# Altium PCB WUT-4-3-3.PcbDoc (part 2 of 4)
Units mil, origin at the board's own origin, x right, y up, seen from the top; angles counter-clockwise.
Board outline 3346.46 x 2204.72 mil, 4 copper layers (Top Layer, GND Plane, 3V3 Plane, Bottom Layer), stack 30.635 mil thick; 241 components, 333 nets, 1194 pads, 457 vias.
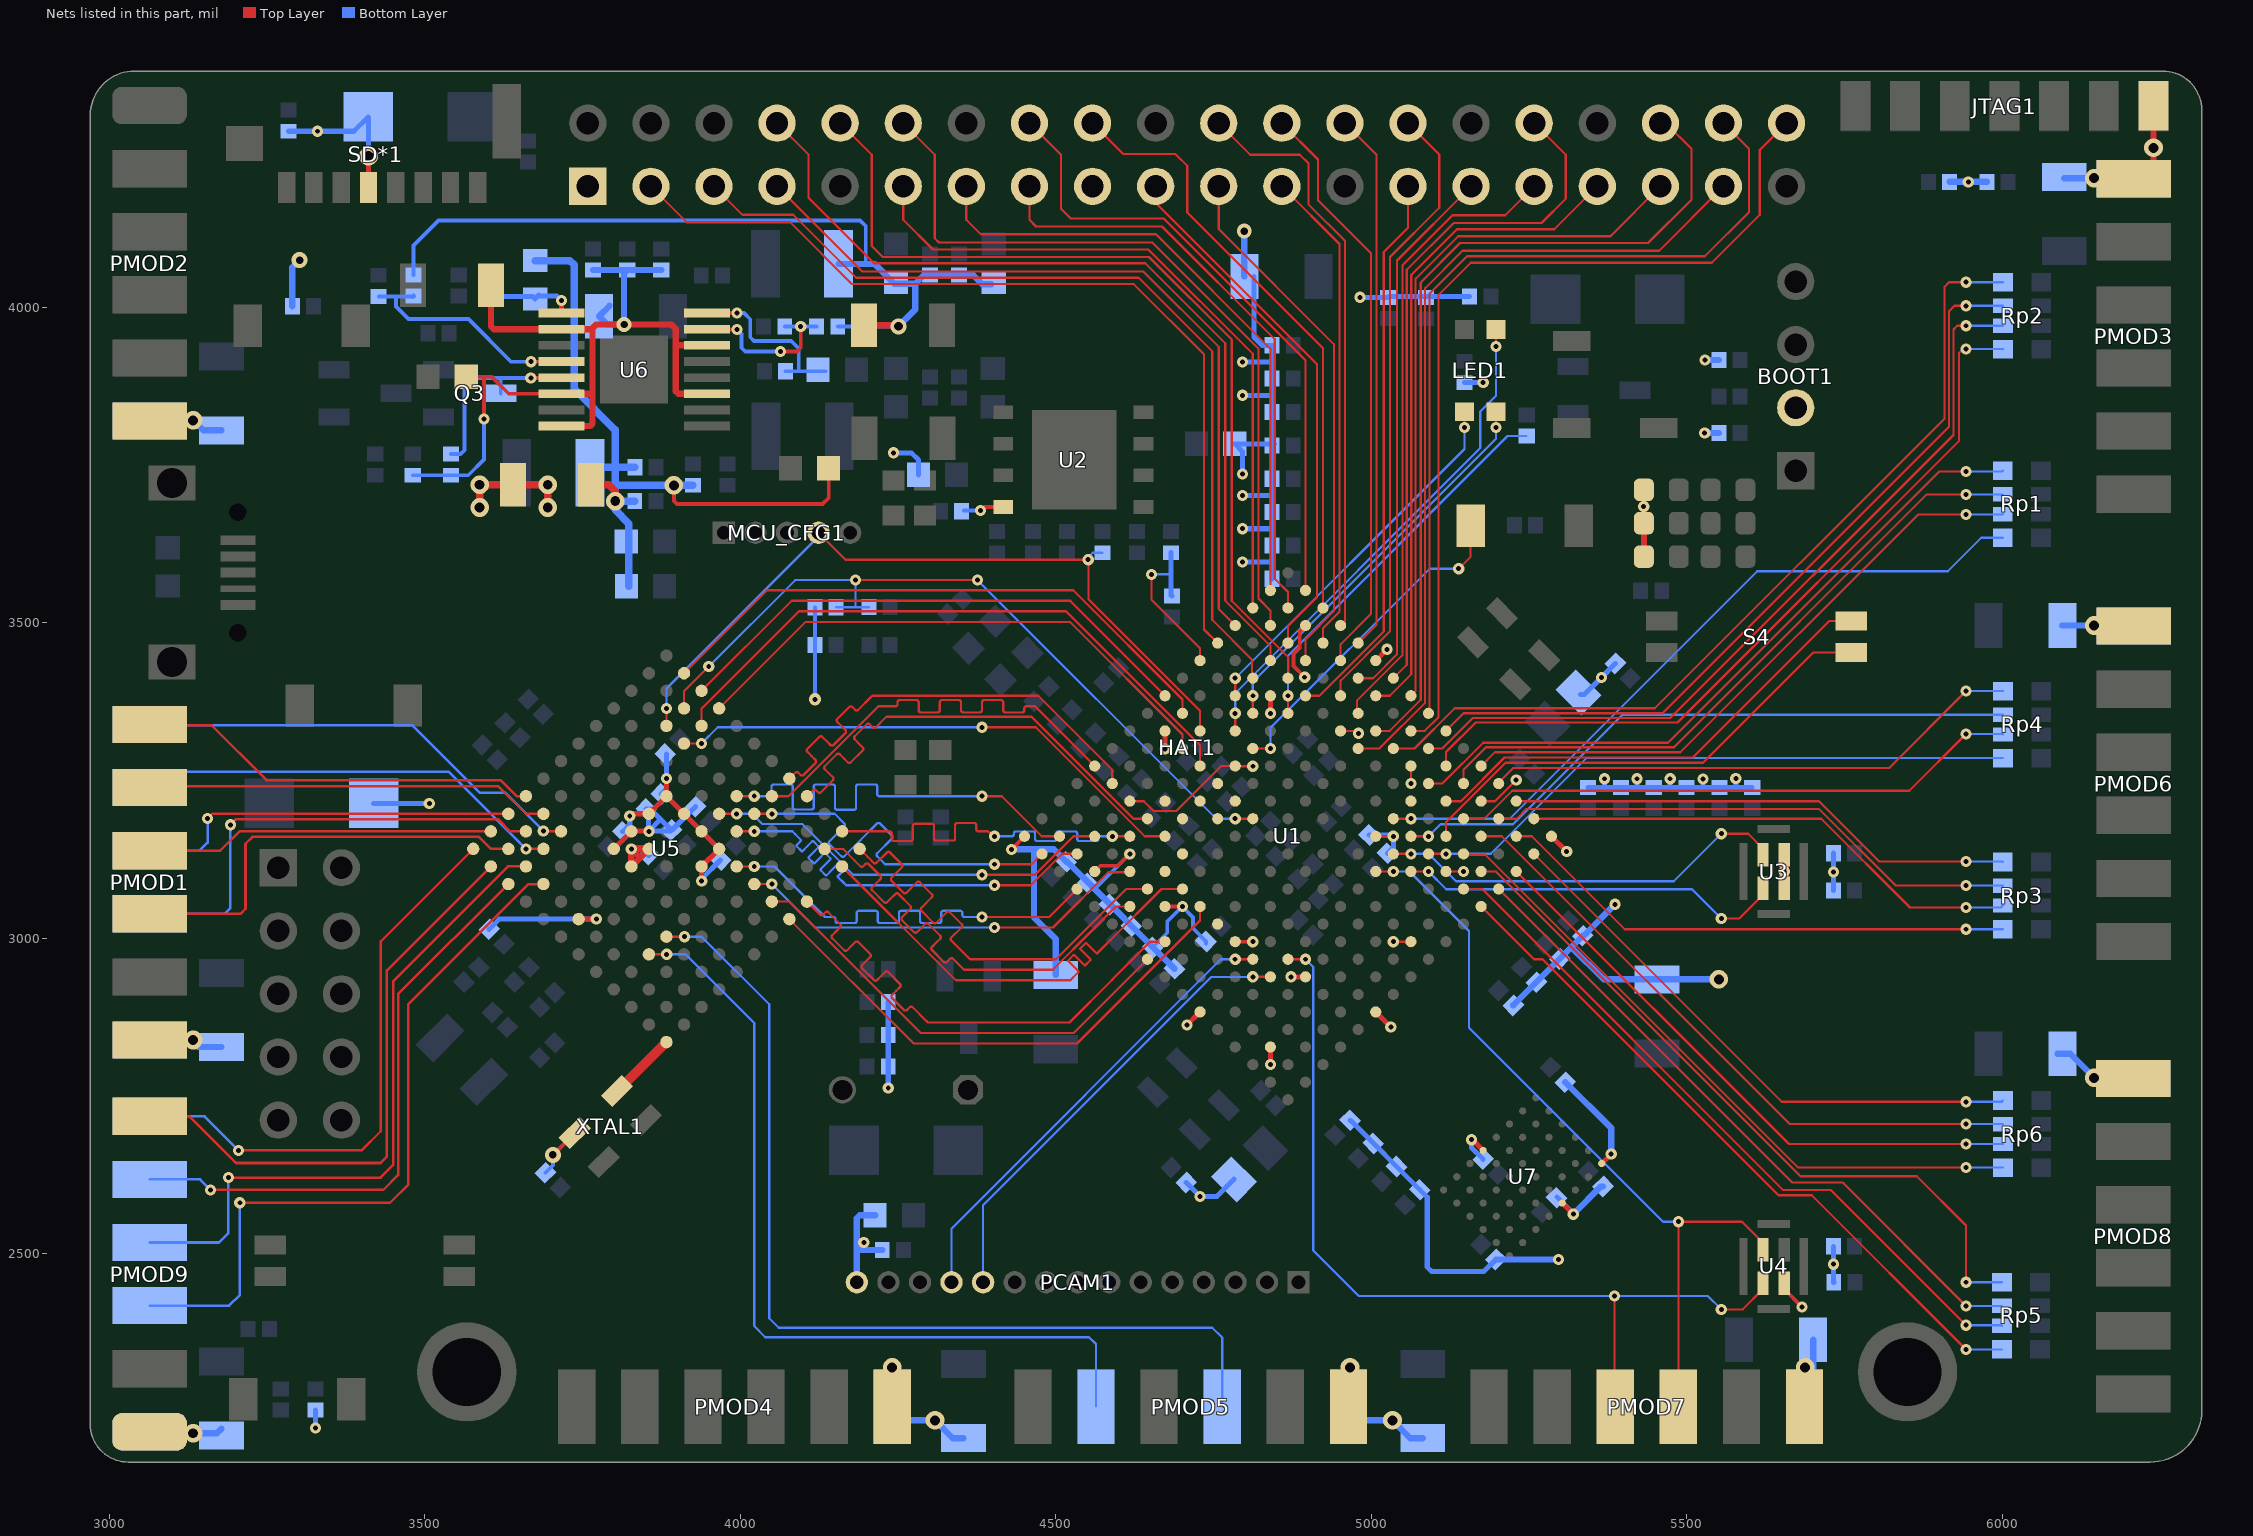
[diagram p4: the nets of this part, all layers, seen from the top]

## Via types
v1: diameter 17.72, hole 7.87, Top Layer to Bottom Layer, tented both sides, 363 vias
v2: diameter 29.53, hole 15.75, Top Layer to Bottom Layer, tented both sides, 51 vias
v3: diameter 19.68, hole 7.87, Top Layer to Bottom Layer, 16 vias
v4: diameter 23.62, hole 11.81, Top Layer to Bottom Layer, tented both sides, 11 vias
v5: diameter 19.68, hole 7.87, Top Layer to Bottom Layer, tented both sides, 9 vias
v6: diameter 25.59, hole 13.78, Top Layer to Bottom Layer, tented both sides, 3 vias
v7: diameter 25.59, hole 11.81, Top Layer to Bottom Layer, tented both sides, 2 vias
v8: diameter 21.65, hole 11.81, Top Layer to Bottom Layer, tented both sides, 1 vias
v9: diameter 27.56, hole 13.78, Top Layer to Bottom Layer, tented both sides, 1 vias

## Nets (pads, with @x,y where several pads share a name; then routed paths per layer and width w, separated by ;. In a path a pad name is that pad's centre, name@x,y a point inside that pad or via, vN(x,y) a via of type N, cw(c..) or ccw(c..) an arc to the next point about the centre after c; other vN are vias at no path point) (continued)
1V8OUT: C89.2 C90.2 C91.2 C92.2 F3.2 L8.2 R40.2 R44.2 | length 1342.3
  Top Layer w10: F3.2@4195.99,3972 v6@4253,3972
  Bottom Layer w6: R44.2@3482.17,4051.37 3482.17,4098.17 3522,4138 4190.01,4138 4199,4129.01 4199,4069 ; R40.2@4154.73,3970 v6(4251,3970)
  Bottom Layer w10: L8.2@4156.07,4069 4199,4069 4213,4069 4244.31,4037.68 4277.69,4037.68 ; v6(4251,3970) 4277.69,3996.69 4277.69,4037.68 ; C92.2@4398,4037 4384,4037 4369.73,4051.27 C90.2@4347,4051.27 C89.2@4301,4051.27 4291.27,4051.27 4277.69,4037.68
3V3: BOOT1.2 C1.1 C2.2 C4.2 C8.1 C9.1 C10.2 C11.2 C12.2 C13.2 C14.2 C15.2 C16.2 C17.2 C18.2 C25.2 C26.2 C27.2 C28.2 C29.2 C30.2 C31.2 C36.2 C37.2 C38.2 C39.2 C40.2 C41.2 C42.2 C49.2 C50.2 C51.2 C52.2 C53.2 C54.2 C55.2 C56.2 C60.2 C61.2 C64.2 C65.2 C66.2 C67.2 C68.2 C69.2 C70.2 C71.2 C72.2 C73.2 C74.2 C75.2 C76.2 C77.1 C78.2 C79.1 C80.2 C81.2 C102.2 C103.2 C104.2 C106.2 C107.2 C108.2 D1.1 D6.1 F2.2 FB1.1 FB2.1 HAT1.1 HAT1.17 JTAG1.2 PCAM1.15 PMOD1.1 PMOD1.7 PMOD2.1 PMOD2.7 PMOD3.1 PMOD3.7 PMOD4.1 PMOD4.7 PMOD5.1 PMOD5.7 PMOD6.1 PMOD6.7 PMOD7.1 PMOD7.7 PMOD8.1 PMOD8.7 PMOD9.1 PMOD9.7 R1.2 R2.2 R3.2 R4.2 R5.2 R6.1 R9.2 R11.2 R12.2 R13.2 R14.2 R18.2 R20.2 R21.2 R22.2 R29.2 R30.1 R32.2 R56.2 R60.2 R62.1 R63.1 R64.1 R65.1 SD*1.4 U1.A6 U1.A16 U1.B3 U1.B13 U1.C10 U1.D7 U1.E4 U1.E14 U1.F1 U1.H15 U1.J2 U1.J12 U1.L6 U1.L16 U1.M3 U1.M13 U1.N10 U1.P7 U1.R4 U1.R14 U1.T1 U1.T11 U2.8 U3.3 U3.4 U4.4 U5.E5 U5.E6 U5.E7 U5.E8 U5.F5 U5.F8 U5.L6 U7.A6 U7.D6 U7.E1 XTAL1.4 | length 8363.7
  Top Layer w3.5: U1.E14@4617.61,3217.52 4639.68,3217.52 4655.29,3201.91 4691.29,3201.91 4762.57,3273.19 U1.J12@4784.64,3273.19 4785,3272.84 v1(4812.48,3272.84) ; v1(4652,3577) 4652,3536.61 4728.97,3459.64 U1.L16@4728.97,3440.23 ; U1.N10@4951.68,3328.87 4976.13,3328.87 v1(4980,3325) ; U1.L6@5007.36,3161.84 v1(5035.19,3161.84) ; v1(5035.19,2994.81) U1.J2@5063.03,2994.81 ; v1(5063.03,3245.36) U1.P7@5063.03,3273.19 ; U1.M3@5118.71,3106.16 v1(5146.55,3106.16) ; v1@5159.22,2679.84 v1@5161.71,2679.84 ; U1.R4@5174.39,3217.52 5196.46,3217.52 v1(5229.95,3251.01) ; v1@5320.22,2562.84 v1(5320.47,2562.84)
  Top Layer w6: v7(3703.26,2656.84) XTAL1.4@3737.83,2691.41 ; v1(4380.98,3678) 4386.82,3683.84 U2.8@4417.02,3683.84 ; v1(4429.88,3141.14) U1.A16@4450.58,3161.84 ; U1.B13@4561.93,3106.16 4570.91,3115.14 4598.75,3115.14 v1(4617.61,3134) ; U1.C10@4673.29,3050.48 v1@4700.56,3050.48 ; U1.D7@4784.64,2994.81 v1(4812.48,2994.81) ; v1(4894.79,3413.89) 4877.01,3431.67 4877.01,3448.81 4877,3450.7 4886.75,3460.45 4886.75,3486.66 U1.R14@4896,3495.91 ; U4.4@5654.73,2453.43 5654.73,2444.27 v1(5683,2416)
  Top Layer w8: SD*1.4@3411,4190 v2(3411,4239.9) ; U5.L6@3743.97,3030.48 v1(3772.05,3030.48) ; v1(3825,3194) 3828.52,3197.52 U5.F5@3855.32,3197.52 U5.E5@3883.16,3225.36 ; v1@3883.55,3253.19 3883.16,3252.81 U5.E5@3883.16,3225.36 ; v1(3939,3091) 3938.84,3091.16 U5.F8@3938.84,3114 U5.E8@3966.68,3141.84 U5.E7@3938.84,3169.68 U5.E5@3883.16,3225.36 ; v1(4673.29,3300.02) U1.H15@4673.29,3328.87 ; v1(4708,2862.48) U1.A6@4728.97,2883.45 ; v1(4840.32,2799.93) U1.B3@4840.32,2827.77 ; v1(4840.32,3356.71) U1.M13@4840.32,3384.55 ; v1(4873.02,2939.13) U1.E4@4896,2939.13 ; U1.F1@5007.36,2883.45 v1(5031.26,2859.55) ; U1.T11@5007.36,3440.23 v1(5025.26,3458.13) ; v1@5161.71,2679.84 U7.E1@5177.59,2663.96 ; U1.T1@5285.74,3161.84 v1(5310,3137.58) ; U7.D6@5302.86,2580.44 v1(5320.47,2562.84) ; U7.A6@5365.5,2643.08 v1(5380.53,2658.11)
  Top Layer w10: R12.2@5432.44,3605 R13.2@5432.44,3658 R14.2@5432.44,3711 ; PMOD3.1@6209,4204 6240,4204 v2(6240,4253) JTAG1.2@6240,4319.54
  Top Layer w12: v2@3587,3691 v2(3587,3719) F2.2@3639.87,3719 v2(3695,3719) v2@3695,3690.78
  Top Layer w15: U3.4@5654.73,3079.43 v1(5654.73,3106) U3.3@5654.73,3132.57
  Bottom Layer w3.5: v1(4652,3577) 4681.93,3577 4683,3578.06
  Bottom Layer w6: C106.2@3691.33,2628.67 3703.22,2640.56 v7@3703.22,2656.84 ; v5(4118.63,3378.95) R5.2@4118.63,3464.83 R3.2@4118.63,3524.85 ; C1.1@4354.73,3678 v1(4380.98,3678) ; 4564.72,3075.34 4564.72,3081.1 v1(4617.61,3134) ; C29.2@4653.99,2985.7 4653.99,2986.07 4677,3009.08 4677,3026.92 4700.56,3050.48 4717.76,3033.29 4717.76,3015.97 R6.1@4738.51,2995.22 R6.1@4738.51,2991.48
  Bottom Layer w8: C73.2@3284,4279.27 v1(3330,4279.27) 3387.59,4279.27 D1.1@3410.32,4302 3411,4301.33 v2(3411,4239.9) ; v1(3326.83,2224.17) R56.2@3326.83,2252.27 ; D6.1@3419.09,3214 v1(3507.34,3214) ; R60.2@3602.17,3014.48 3618.18,3030.48 v1(3772.05,3030.48) ; C103.2@3813.83,3169.18 3825,3180.35 v1(3825,3194) ; R62.1@3874.83,3228.83 3883.55,3237.55 C102.2@3883.55,3292.17 ; v1(3939,3091) 3939,3094.49 C104.2@3968.92,3124.41 ; v1(4234.73,2763) C66.2@4234.73,2797 C65.2@4234.73,2847 R32.2@4234.73,2899 ; v1(4243,3769.62) 4271.38,3769.62 4282.54,3758.46 R22.2@4282.54,3734.84 ; R21.2@4683,3611.27 4683,3578.06 4683,3543.8 R18.2@4684.22,3542.57 ; C4.2@4706.83,2613.17 v1(4729,2591) 4755.5,2591 FB1.1@4782.72,2618.22 ; v1(4795.98,3596.43) 4843.12,3596.43 ; v1(4795.98,3649.29) 4843.12,3649.29 ; v1(4795.98,3702.14) 4843.12,3702.14 ; v1(4796,3736) 4796,3771.74 R20.2@4783.9,3783.84 C53.2@4843.12,3783.84 ; v1(4795.98,3860.71) 4843.12,3860.71 ; v1(4795.98,3913.57) 4843.12,3913.57 ; C18.2@4814.7,4049 4814.7,3952.3 4827,3940 C56.2@4843.12,3940 4843.12,3913.57 ; C49.2@4843.12,3570 4843.12,3596.43 ; C53.2@4846.71,3783.84 C53.2@4843.12,3783.84 ; C10.2@4966.63,2711.7 4967.18,2711.7 C13.2@5077.2,2601.67 5089,2589.88 5089,2479 5096,2472 5178.66,2472 R64.1@5197.83,2491.17 ; v1(4982.47,4016.05) C60.2@5026.96,4016.05 5028.46,4017.54 R29.2@5156.27,4017.54 ; C9.1@4996.83,3163.83 5033.2,3163.83 v1(5035.19,3161.84) 5035.19,3144.19 C8.1@5025.83,3134.83 ; R30.1@5148,3881.27 v1(5177.72,3881.27) ; v1@5159.22,2679.84 5159.22,2668.27 C108.2@5177.67,2649.83 ; C107.2@5294.83,2589.83 v1@5320.22,2564.44 ; FB2.1@5331.78,3386.78 5338.11,3386.78 v1(5365,3413.66) C2.2@5387.17,3435.83 ; C36.2@5344,3239.05 5370,3239.05 ; v1(5370,3253) 5370,3239.05 ; v1(5421.36,3253.01) 5421.36,3239.05 ; v1(5474,3253.01) 5474,3239.05 ; v1(5526.05,3252.78) 5526.05,3239.05 ; v1(5578,3253.19) 5578,3239.05 ; C41.2@5604,3239.05 5578,3239.05 ; C81.2@5732.95,2512 v1(5732.95,2483.66) 5732.95,2455.32 C80.2@5733.27,2455 ; C75.2@5732.95,3075.81 v1(5732.95,3105.4) C76.2@5732.95,3135 ; 4843.12,3596.43 C50.2@4843.12,3622.86 4843.12,3649.29 ; 4843.12,3649.29 C51.2@4843.12,3675.71 4843.12,3702.14 ; 4843.12,3702.14 C52.2@4843.12,3728.57 C53.2@4843.12,3781.43 C53.2@4843.12,3783.84 ; C53.2@4843.12,3783.84 C54.2@4843.12,3834.29 4843.12,3860.71 ; 4843.12,3860.71 C55.2@4843.12,3887.14 4843.12,3913.57 ; 5370,3239.05 C37.2@5396,3239.05 5421.36,3239.05 ; 5421.36,3239.05 C38.2@5448,3239.05 5474,3239.05 ; 5474,3239.05 C39.2@5500,3239.05 5526.05,3239.05 ; 5526.05,3239.05 C40.2@5552,3239.05 5578,3239.05
  Bottom Layer w10: PMOD9.7@3064,2215.7 v2(3133,2215.7) 3170.7,2215.7 C78.2@3178,2223 ; PMOD1.7@3064,2839 3130,2839 3141.07,2827.93 C67.2@3178,2827.93 ; v2(3133,3821) 3148.85,3805.15 C64.2@3178,3805.15 ; R4.2@3290.27,4002 3290.27,4063.58 v7(3301.68,4075) ; PCAM1.15@4185,2455 4185,2505.64 ; C77.1@4213.97,2561 4189.71,2561 4185,2556.29 4185,2518 ; C79.1@4225.27,2506 4196,2506 ; PMOD4.7@4241,2258 4262.81,2236.18 v2(4308.81,2236.18) 4337.16,2207.84 C69.2@4354,2207.84 ; v1(4429.88,3141.14) 4467,3141.14 ; C42.2@4500,2942.06 4500,2999 4465.62,3033.38 4465.62,3139.76 4467,3141.14 ; C30.2@4688.32,2951.74 4653.99,2986.07 4564.72,3075.34 4518.51,3121.55 C25.2@4516.68,3121.55 4497.09,3141.14 4467,3141.14 ; C18.2@4798.94,4049 v4(4798.94,4120.94) ; PMOD5.7@4964,2258 4985.82,2236.18 v2(5033.91,2236.18) 5062.25,2207.84 C70.2@5082,2207.84 ; R64.1@5197.83,2491.17 5297.06,2491.17 v1(5297.22,2491) ; C17.2@5225.53,2893.79 5225.53,2894.33 5317.43,2986.23 ; R65.1@5307.8,2772.17 5380.53,2699.45 v1(5380.53,2658.11) ; v1@5320.22,2564.44 5321.02,2563.64 5364.2,2606.82 R63.1@5367.64,2606.82 ; v1(5386.63,3053.99) 5337,3004.36 C14.2@5335.56,3004.36 5317.43,2986.23 ; v1(5528.72,3800.92) R11.2@5551.27,3800.92 ; v1(5528.99,3916.73) R9.2@5551.27,3916.73 ; v2(5551.22,2935.06) 5368.6,2935.06 5317.43,2986.23 ; PMOD7.7@5687,2258 5700.66,2271.66 C72.2@5700.66,2364 ; R2.2@5916.73,4199 v1(5946.5,4199) R1.2@5976.27,4199 ; C74.2@6088,2817 6108,2817 v2(6146,2779) ; C71.2@6095.66,3496 v2(6146,3496) ; C68.2@6098.47,4205 v2(6146,4205) ; 4185,2505.64 4185,2518 ; 4185,2505.64 4185.36,2506 4196,2506 ; 4185,2518 v1(4195.99,2518) 4195.99,2506.01
  other v1: 5159,2681 4701.13,3050.48 3883.16,3253.19 5432,3684.5
  other v2: 4241,2320 4966.63,2320 5688,2320 3133,2839 3587,3683 3695,3683
3V3OUT: C94.2 C95.2 C96.2 C97.2 D4.A F2.1 L7.1 R41.2 R49.2 | length 1221
  Top Layer w6: v2(3894.99,3717.99) 3894.99,3693.2 3899.71,3688.49 4130.7,3688.49 4140.32,3698.1 D4.A@4140.32,3745
  Top Layer w12: F2.1@3763.89,3719 3792,3719 3802.06,3708.94 v2(3802.06,3693)
  Bottom Layer w12: R41.2@3675,4074.32 3730.16,4074.32 3737,4067.47 3737,3870.79 3802.06,3805.73 3802.06,3746.79 ; L7.1@3762.07,3738 3770.86,3746.79 3802.06,3746.79 ; C96.2@3823.68,3558 3823.68,3657.49 3802.06,3679.12 v2(3802.06,3693) ; C94.2@3832.98,3693 v2(3802.06,3693) ; C95.2@3833.27,3746.79 3802.06,3746.79 ; R49.2@3925.17,3718.27 3803.8,3718.27 3802.06,3720 ; v2(3802.06,3693) 3802.06,3720 ; 3802.06,3720 3802.06,3746.79
5V0: C82.2 C83.1 C84.2 C93.2 D5.A F1.1 R43.2 R45.2 U6.2 U6.6 U6.8 U6.11 U6.14 | length 1494.2
  Top Layer w6: D5.A@3565.88,3890 3594,3890 ; v1(3594,3823) 3594,3890 ; U6.6@3716.84,3863.2 3633.23,3863.2 3606.43,3890 3594,3890
  Top Layer w10: F1.1@3605.18,4035 3605.18,3970 3609.62,3965.56 U6.2@3716.84,3965.56 3764.56,3965.56 ; U6.8@3716.84,3812.02 3762.02,3812.02 3766,3816 3766,3862.13 3764.93,3863.2 U6.6@3716.84,3863.2 ; 3766,3863.2 3766,3967 3771.98,3972.98 v4(3816,3972.98) 3891.02,3972.98 3898,3966 3898,3939.97 ; U6.11@3947.16,3863.2 3901.74,3863.2 3898,3866.93 3898,3939.97 ; U6.14@3947.16,3939.97 3898,3939.97
  Bottom Layer w6: R45.2@3481.04,3734.08 R43.2@3541.43,3734.08 3569.08,3734.08 3594,3759 v1(3594,3823)
  Bottom Layer w10: C84.2@3767,4059.27 C83.1@3821,4059.27 ; C93.2@3793,4002.66 C93.2@3776.34,3986 3789.36,3972.98 v4(3816,3972.98) 3816,4054.27 C83.1@3821,4059.27 ; C82.2@3875,4059.27 C83.1@3821,4059.27
50MHz: U5.M12 XTAL1.3 | length 105.5
  Top Layer w15: XTAL1.3@3808.59,2761.04 U5.M12@3883.16,2835.61
AGND: R61.1 U5.G6 U5.H6 | length 146.1
  Top Layer w10: v1(3827.48,3141.84) 3841.4,3127.92 ; v1(3827.48,3141.84) U5.G6@3855.32,3141.84 3841.4,3127.92 ; v1(3827.48,3141.84) U5.H6@3827.48,3114 3841.4,3127.92
  Bottom Layer w10: v1(3827.48,3141.84) 3845.87,3141.84 R61.1@3855.04,3132.67
ANALOG1: PMOD1.6 U5.J1 | length 642.9
  Top Layer w4: PMOD1.6@3064,3337.49 3162.51,3337.49 3249,3251 3620,3251 3645.64,3225.36 U5.J1@3660.45,3225.36
ANALOG2: PMOD1.5 U5.J2 | length 642.3
  Top Layer w4: PMOD1.5@3064,3241 3616.88,3241 3660.36,3197.52 U5.J2@3688.29,3197.52
ANALOG3: PMOD1.10 U5.K1 | length 615.1
  Top Layer w4: v1(3156,3190) 3163.52,3197.52 U5.K1@3632.61,3197.52
  Bottom Layer w4: PMOD1.10@3064,3139 3143,3139 3156,3152 v1(3156,3190)
ANALOG4: PMOD1.9 U5.K2 | length 743.9
  Top Layer w4: v1(3192,3180) 3201,3189 3616,3189 3635.32,3169.68 U5.K2@3660.45,3169.68
  Bottom Layer w4: PMOD1.9@3064,3039 3183,3039 3192,3048 v1(3192,3180)
ANALOG5: PMOD1.4 U5.L1 | length 553.5
  Top Layer w4: PMOD1.4@3064,3139 3176,3139 3206.68,3169.68 U5.L1@3604.77,3169.68
ANALOG6: PMOD1.3 U5.L2 | length 687.4
  Top Layer w4: PMOD1.3@3064,3039 3208,3039 3216,3047 3216,3150 3227,3161 3586,3161 3605.16,3141.84 U5.L2@3632.61,3141.84
ANALOG7: PMOD9.12 U5.M1 | length 909.5
  Top Layer w4: v1(3205,2664) 3400,2664 3430.34,2694.34 3430.34,2995.24 U5.M1@3576.93,3141.84
  Bottom Layer w4: PMOD9.12@3064,2718 3151,2718 v1(3205,2664)
ANALOG8: PMOD9.6 U5.M2 | length 939
  Top Layer w4: PMOD9.6@3064,2718 3127,2718 3201,2644 3430,2644 3440,2654 3440,2949.23 U5.M2@3604.77,3114
ANALOG9: PMOD1.11 U5.K3 | length 684.4
  Top Layer w4: v1(3660.36,3141.84) U5.K3@3688.29,3141.84
  Bottom Layer w4: PMOD1.11@3064,3241 3087,3264 3538.2,3264 v1(3660.36,3141.84)
ANALOG10: PMOD1.12 U5.J3 | length 721.2
  Top Layer w4: v1@3688.32,3169.68 U5.J3@3716.13,3169.68
  Bottom Layer w4: PMOD1.12@3064,3337.49 3480.7,3337.49 3587.19,3231 3627,3231 v1(3688,3170)
ANALOG11: PMOD9.11 U5.M3 | length 944.2
  Top Layer w4: v1@3159,2603 v1(3160.68,2601.32) 3434.32,2601.32 3458,2625 3458,2911.55 U5.M3@3632.61,3086.16
  Bottom Layer w4: PMOD9.11@3064,2618 3144,2618 v1@3159,2603
ANALOG12: PMOD9.10 U5.L3 | length 1065.3
  Top Layer w4: v1(3189,2621) 3430,2621 3450,2641 3450,2932 3632,3114 U5.L3@3660.45,3114
  Bottom Layer w4: PMOD9.10@3064,2518 3174,2518 3189,2533 v1(3189,2621)
ANALOG13: PMOD9.9 U5.L4 | length 1153.9
  Top Layer w4: v1(3207,2581) 3445,2581 3474,2610 3474,2895.69 3664.47,3086.16 U5.L4@3688.29,3086.16
  Bottom Layer w4: PMOD9.9@3064,2418 3190,2418 3207,2435 v1(3207,2581)
AVDD: C101.1 C105.1 R62.2 U5.G5 U5.H5 | length 274.7
  Top Layer w8: U5.H5@3799.64,3141.84 U5.G5@3827.48,3169.68 3827.68,3169.88 3854.88,3169.88 v1@3855,3170
  Bottom Layer w8: C105.1@3929.17,3208.83 3892.07,3171.67 C101.1@3891.04,3171.67 ; v1@3855,3170 3873.42,3188.42 3874.29,3188.42 ; v1@3855,3170 3889.37,3170 C101.1@3891.04,3171.67 ; v1@3855,3170 3855,3201.34 R62.2@3851.17,3205.17 3857.54,3205.17 3874.29,3188.42 ; 3874.29,3188.42 C101.1@3891.04,3171.67
  other v1: 3855.32,3169.68
BANK14_IO1: S2.1 U1.K12 | length 539.1
  Top Layer w3.5: U1.K12@4812.48,3301.03 v1(4840.32,3301.03) ; v1(5138.84,3586) 5157.74,3604.9 S2.1@5157.74,3654
  Bottom Layer w3.5: v1(4840.32,3301.03) 4840.32,3333.32 5093,3586 v1(5138.84,3586)
BANK14_IO2: LED1.3 U1.L14 | length 600.7
  Top Layer w3.5: U1.L14@4784.65,3384.55 v1(4784.65,3412.39) ; v1(5148,3809.95) LED1.3@5148,3834.73
  Bottom Layer w3.5: v1(4784.65,3412.39) 5148,3775.74 v1(5148,3809.95)
BANK14_IO3: HAT1.5 U1.M14 | length 1442.7
  Top Layer w3.5: HAT1.5@3958.5,4192 4003.5,4147 4084,4147 4184,4047 4631.54,4047 4748.16,3930.38 4748.16,3504.9 4811.21,3441.85 4811.21,3413.66 U1.M14@4812.48,3412.39
BANK14_IO4: LED1.1 U1.K13 | length 807.1
  Top Layer w3.5: U1.K13@4784.64,3328.87 v1(4784.65,3356.71) ; v1(5198,3938) LED1.1@5198,3964.73
  Bottom Layer w3.5: v1(4784.65,3356.71) 4784.65,3388.74 5173,3777.1 5173,3835 5198,3860 v1(5198,3938)
BANK14_IO5: LED1.4 U1.L13 | length 637.7
  Top Layer w3.5: U1.L13@4812.48,3356.71 v1(4812.48,3384.55) ; v1(5198,3809.95) LED1.4@5198,3834.73
  Bottom Layer w3.5: v1(4812.48,3384.55) 4812.48,3406.22 5198,3791.74 v1(5198,3809.95)
BANK14_IO6: R31.1 U1.M12 | length 613.6
  Top Layer w3.5: U1.M12@4868.16,3356.71 v1@4868.16,3384.09
  Bottom Layer w3.5: v1@4868.16,3384.09 4868.16,3448.16 5216.27,3796.27 R31.1@5246.13,3796.27
  other v1: 4868.16,3384.55
BANK14_IO7: HAT1.3 U1.M16 | length 1453.6
  Top Layer w3.5: HAT1.3@3858.5,4192 3915.5,4135 4079.32,4135 4177.32,4037 4624,4037 4735.22,3925.78 4735.22,3489.65 U1.M16@4756.81,3468.07
BANK14_IO8: HAT1.7 U1.N16 | length 1257.8
  Top Layer w3.5: HAT1.7@4058.5,4192 4193.5,4057 4639,4057 4758.5,3937.5 4758.5,3522.05 U1.N16@4784.64,3495.91
BANK14_IO9: HAT1.12 U1.P15 | length 1235.1
  Top Layer w3.5: HAT1.12@4258.5,4292 4308.5,4242 4308.5,4109.5 4315,4103 4653,4103 4821.46,3934.54 4821.46,3538.6 4840.32,3519.74 U1.P15@4840.32,3495.91
BANK14_IO10: HAT1.11 U1.P16 | length 1097.8
  Top Layer w3.5: HAT1.11@4258.5,4192 4258.5,4139 4305.5,4092 4647,4092 4812.48,3926.52 U1.P16@4812.48,3523.74
BANK14_IO11: HAT1.15 U1.R15 | length 954.8
  Top Layer w3.5: HAT1.15@4458.5,4192 4458.5,4139 4469.04,4128.46 4668.54,4128.46 4847.32,3949.68 4847.32,3569.92 4868.16,3549.08 U1.R15@4868.16,3523.74
BANK14_IO12: HAT1.13 U1.R16 | length 1002.6
  Top Layer w3.5: HAT1.13@4358.5,4192 4358.5,4139 4381.5,4116 4659,4116 4840.32,3934.68 U1.R16@4840.32,3551.58
BANK14_IO13: HAT1.18 U1.T14 | length 967.9
  Top Layer w3.5: HAT1.18@4558.5,4292 4607.5,4243 4690,4243 4708.5,4224.5 4708.5,4150.5 4923.84,3935.16 U1.T14@4923.84,3523.74
BANK14_IO14: HAT1.16 U1.T15 | length 1007.9
  Top Layer w3.5: HAT1.16@4458.5,4292 4508.5,4242 4508.5,4156.5 4524,4141 4671.23,4141 4896,3916.23 U1.T15@4896,3551.58
BANK14_IO15: HAT1.10 U1.N13 | length 1421.3
  Top Layer w3.5: HAT1.10@4158.5,4292 4208.5,4242 4208.5,4097.5 4226,4080 4648.1,4080 4779,3949.1 4779,3535.15 4868.76,3445.4 4868.76,3412.98 U1.N13@4868.16,3412.39
BANK14_IO16: HAT1.21 U1.P13 | length 846
  Top Layer w3.5: HAT1.21@4758.5,4192 4758.5,4124.25 4941,3941.75 4941,3518.83 4896,3473.83 U1.P13@4896,3440.23
BANK14_IO17: HAT1.8 U1.N14 | length 1427.5
  Top Layer w3.5: HAT1.8@4058.5,4292 4108.5,4242 4108.5,4173.5 4212,4070 4276,4070 4642,4070 4768.9,3943.1 4768.9,3535.35 4840.32,3463.93 U1.N14@4840.32,3440.23
BANK14_IO18: HAT1.19 U1.P14 | length 848.9
  Top Layer w3.5: HAT1.19@4658.5,4192 4658.5,4165.5 4914.22,3909.78 4914.22,3540.84 4868.16,3494.78 U1.P14@4868.16,3468.07
BANK14_IO19: HAT1.27 U1.N12 | length 887.7
  Top Layer w3.5: U1.N12@4896,3384.55 4918.07,3384.55 5020,3486.48 5020,4087.74 5058.5,4126.24 HAT1.27@5058.5,4192
BANK14_IO20: HAT1.31 U1.P10 | length 1001.5
  Top Layer w3.5: U1.P10@4979.52,3356.71 4977.47,3358.76 4977.47,3376.73 5049.6,3448.86 5049.6,4066.6 5129,4146 5212.5,4146 HAT1.31@5258.5,4192